# Allegro board MB1045.brd (continued)
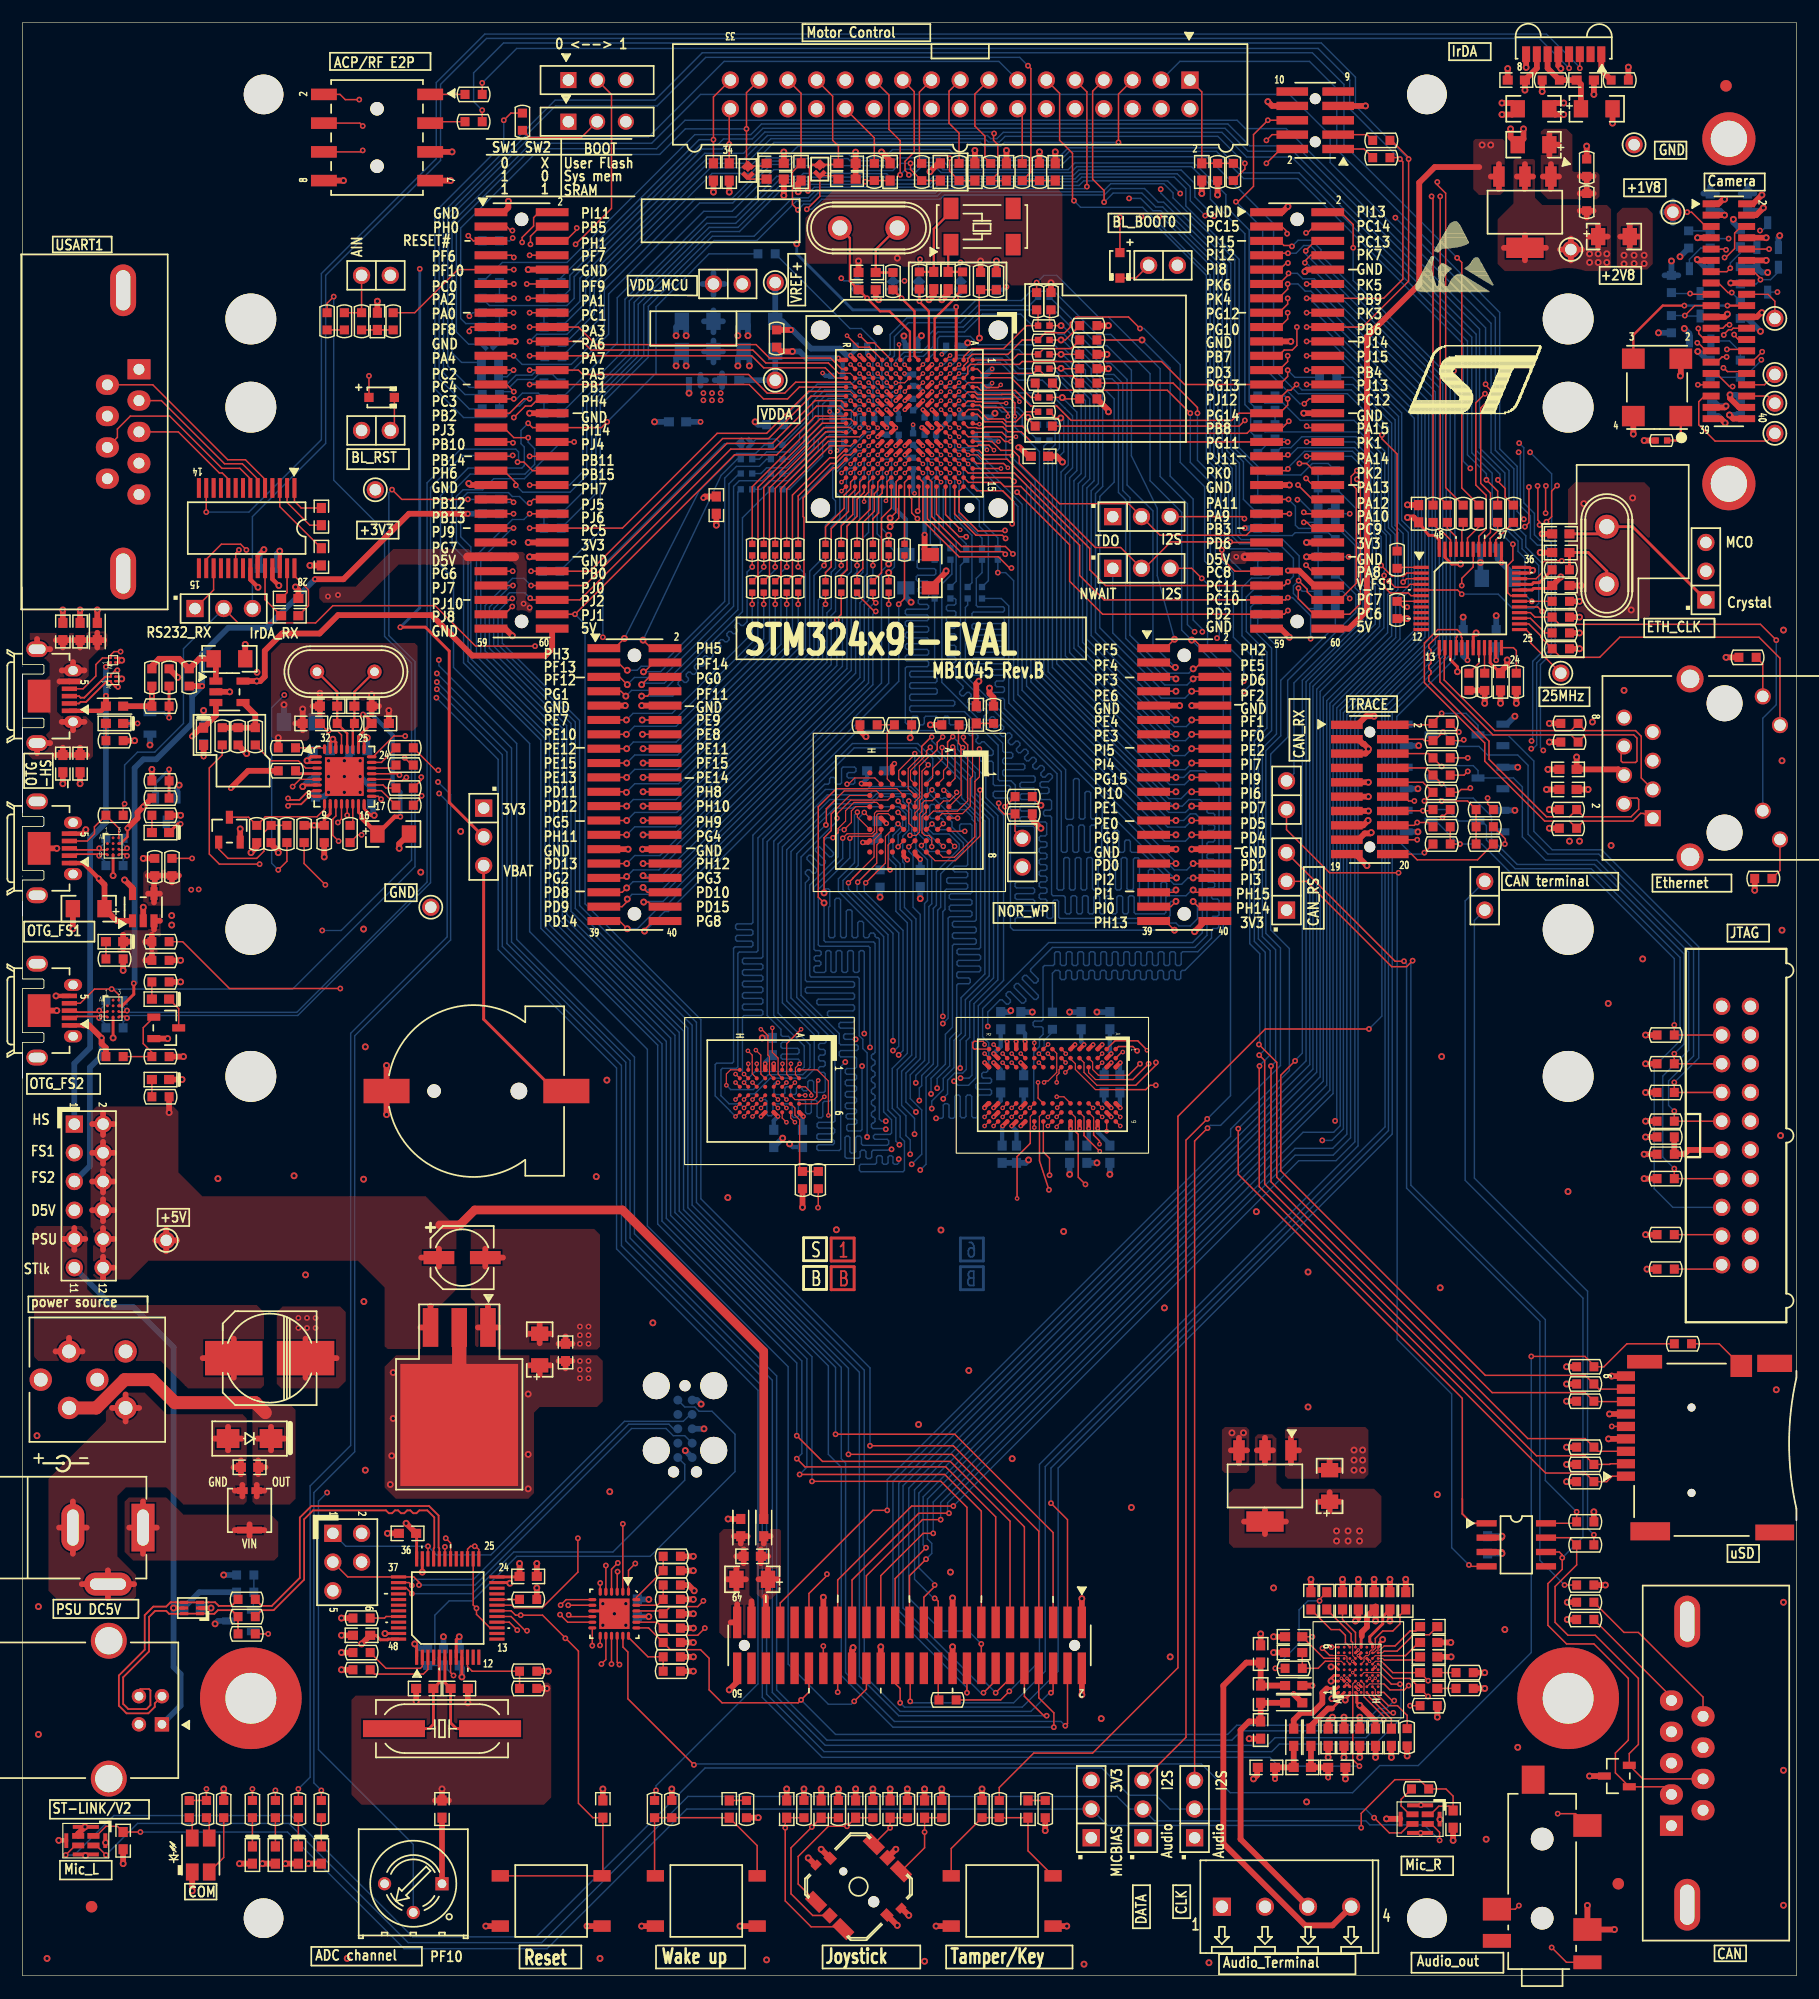
[diagram p0: board, top side]
## Footprints (pads in the part's own frame, mm; a bottom-side part is the same pattern mirrored in y, then rotated) (continued)
FTSH-110-01-L-DV
  round 0.965 hole 0.965 unplated: (-5.08,0) (5.08,0)
  rect 0.737x2.794 smd: 1(-5.715,-2.03) 2(-5.715,2.03) 3(-4.445,-2.03) 4(-4.445,2.03) 5(-3.175,-2.03) 6(-3.175,2.03) 7(-1.905,-2.03) 8(-1.905,2.03) 9(-0.635,-2.03) 10(-0.635,2.03) 11(0.635,-2.03) 12(0.635,2.03) 13(1.905,-2.03) 14(1.905,2.03) 15(3.175,-2.03) 16(3.175,2.03) 17(4.445,-2.03) 18(4.445,2.03) 19(5.715,-2.03) 20(5.715,2.03)
FTSH-125-01-F-DV
  round 0.965 hole 0.965 unplated: (-14.605,0) (14.605,0)
  rect 0.737x2.794 smd: 1(-15.24,-2.03) 2(-15.24,2.03) 3(-13.97,-2.03) 4(-13.97,2.03) 5(-12.7,-2.03) 6(-12.7,2.03) 7(-11.43,-2.03) 8(-11.43,2.03) 9(-10.16,-2.03) 10(-10.16,2.03) 11(-8.89,-2.03) 12(-8.89,2.03) 13(-7.62,-2.03) 14(-7.62,2.03) 15(-6.35,-2.03) 16(-6.35,2.03) 17(-5.08,-2.03) 18(-5.08,2.03) 19(-3.81,-2.03) 20(-3.81,2.03) 21(-2.54,-2.03) 22(-2.54,2.03) 23(-1.27,-2.03) 24(-1.27,2.03) 25(0,-2.03) 26(0,2.03) 27(1.27,-2.03) 28(1.27,2.03) 29(2.54,-2.03) 30(2.54,2.03) 31(3.81,-2.03) 32(3.81,2.03) 33(5.08,-2.03) 34(5.08,2.03) 35(6.35,-2.03) 36(6.35,2.03) 37(7.62,-2.03) 38(7.62,2.03) 39(8.89,-2.03) 40(8.89,2.03) 41(10.16,-2.03) 42(10.16,2.03) 43(11.43,-2.03) 44(11.43,2.03) 45(12.7,-2.03) 46(12.7,2.03) 47(13.97,-2.03) 48(13.97,2.03) 49(15.24,-2.03) 50(15.24,2.03)
HDR_2X3-1_2R54-6
  rect 1.524x1.524 hole 1.016: 1(0,0)
  round 1.524 hole 1.016: 2(0,2.54) 3(2.54,0) 4(2.54,2.54) 5(5.08,0)
HDR_2X6_2R54
  rect 1.524x1.524 hole 1.016: 1(0,0)
  round 1.524 hole 1.016: 2(0,2.54) 3(2.54,0) 4(2.54,2.54) 5(5.08,0) 6(5.08,2.54) 7(7.62,0) 8(7.62,2.54) 9(10.16,0) 10(10.16,2.54) 11(12.7,0) 12(12.7,2.54)
HOLE_C9D4R5
  round 8.992 hole 4.496: 1(0,0)
IDC20S
  round 1.524 hole 1.016: 1(0,0) 2(2.54,0) 3(0,-2.54) 4(2.54,-2.54) 5(0,-5.08) 6(2.54,-5.08) 7(0,-7.62) 8(2.54,-7.62) 9(0,-10.16) 10(2.54,-10.16) 11(0,-12.7) 12(2.54,-12.7) 13(0,-15.24) 14(2.54,-15.24) 15(0,-17.78) 16(2.54,-17.78) 17(0,-20.32) 18(2.54,-20.32) 19(0,-22.86) 20(2.54,-22.86)
IDC34S
  rect 1.524x1.524 hole 1.016: 1(0,0)
  round 1.524 hole 1.016: 2(2.54,0) 3(0,-2.54) 4(2.54,-2.54) 5(0,-5.08) 6(2.54,-5.08) 7(0,-7.62) 8(2.54,-7.62) 9(0,-10.16) 10(2.54,-10.16) 11(0,-12.7) 12(2.54,-12.7) 13(0,-15.24) 14(2.54,-15.24) 15(0,-17.78) 16(2.54,-17.78) 17(0,-20.32) 18(2.54,-20.32) 19(0,-22.86) 20(2.54,-22.86) 21(0,-25.4) 22(2.54,-25.4) 23(0,-27.94) 24(2.54,-27.94) 25(0,-30.48) 26(2.54,-30.48) 27(0,-33.02) 28(2.54,-33.02) 29(0,-35.56) 30(2.54,-35.56) 31(0,-38.1) 32(2.54,-38.1) 33(0,-40.64) 34(2.54,-40.64)
IR_VISHAY3
  rect 0.711x1.397 smd: 1(3.325,0) 2(2.375,0) 3(1.425,0) 4(0.475,0) 5(-0.475,0) 6(-1.425,0) 7(-2.375,0) 8(-3.325,0)
JP2_SMD
  round 0.152 smd: 1(-0.584,-0.008) 2(0.402,-0.03)
LED2_3528
  rect 1.118x1.499 smd: 1(-0.75,-1.5) 2(-0.75,1.5) 3(0.75,1.5) 4(0.75,-1.5)
LQFP48_0R5_9X9
  rect 1.346x0.279 smd: 1(-4.35,2.75) 2(-4.35,2.25) 3(-4.35,1.75) 4(-4.35,1.25) 5(-4.35,0.75) 6(-4.35,0.25) 7(-4.35,-0.25) 8(-4.35,-0.75) 9(-4.35,-1.25) 10(-4.35,-1.75) 11(-4.35,-2.25) 12(-4.35,-2.75) 25(4.35,-2.75) 26(4.35,-2.25) 27(4.35,-1.75) 28(4.35,-1.25) 29(4.35,-0.75) 30(4.35,-0.25) 31(4.35,0.25) 32(4.35,0.75) 33(4.35,1.25) 34(4.35,1.75) 35(4.35,2.25) 36(4.35,2.75)
  rect 0.279x1.346 smd: 13(-2.75,-4.35) 14(-2.25,-4.35) 15(-1.75,-4.35) 16(-1.25,-4.35) 17(-0.75,-4.35) 18(-0.25,-4.35) 19(0.25,-4.35) 20(0.75,-4.35) 21(1.25,-4.35) 22(1.75,-4.35) 23(2.25,-4.35) 24(2.75,-4.35) 37(2.75,4.35) 38(2.25,4.35) 39(1.75,4.35) 40(1.25,4.35) 41(0.75,4.35) 42(0.25,4.35) 43(-0.25,4.35) 44(-0.75,4.35) 45(-1.25,4.35) 46(-1.75,4.35) 47(-2.25,4.35) 48(-2.75,4.35)
MOLEX_47590001
  rect 0.406x1.346 smd: 1(1.3,0) 2(0.65,0) 3(0,0) 4(-0.65,0) 5(-1.3,0)
  oval 1.067x1.6 hole 0.762x0.838: 6(2.275,0.325) 7(-2.275,0.325)
  oval 1.397x1.905 hole 0.838x1.499: 8(-4.15,-2.855) 9(4.15,-2.855)
  rect 2.896x2.007 smd: 10(0,-2.675)
MP34DT01TR
  rect 0.508x1.067 smd: 1(-0.425,0.675) 2(-0.425,-0.675) 3(0.425,-0.675) 4(0.425,0.675)
  round 0.152 smd: 5(-0.025,-1.753)
MSD_PJS008_
  round 0.711 hole 0.711 unplated: (0,0) (7.55,0)
  rect 0.813x1.6 smd: 1(1.475,5.8) 2(2.575,5.8) 3(3.675,5.8) 4(4.775,5.8) 5(5.875,5.8) 6(6.975,5.8) 7(8.075,5.8) 8(9.175,5.8)
  rect 0.838x1.6 smd: 9(10.325,5.8)
  rect 1.956x1.905 smd: 10(11.225,-4.4)
  rect 1.524x3.073 smd: 11(11.45,-7.35)
  rect 1.397x3.429 smd: 12(-3.503,-7.357)
  rect 1.6x3.505 smd: 13(-3.4,3.65)
  rect 1.194x3.099 smd: 14(11.6,4.15)
OSC_4SM_7X5
  rect 1.803x2.007 smd: 1(-2.54,-2.1) 2(2.54,-2.1) 3(2.54,2.1) 4(-2.54,2.1)
PB10
  rect 1.524x1.016 smd: 1(-4.5,-2.223) 2(-4.5,2.223) 3(4.5,2.223) 4(4.5,-2.223)
PJ3028B
  round 2.007 hole 2.007 unplated: (0,0) (7,0)
  rect 1.219x2.489 smd: 2(-3.9,-4) 7(-2,4)
  rect 2.007x2.489 smd: 3(-1,-4) 4(0.8,4) 6(8.2,-4)
  rect 2.489x2.007 smd: 5(12.25,0.8)
PWR_JACK_DC10
  rect 2.032x4.216 hole 1.016x3.2: 1(0,0)
  oval 4.216x2.032 hole 3.2x1.016: 2(-3.1,-5)
  oval 2.032x4.216 hole 1.016x3.2: 3(-6.2,0)
QFN24_0R5_4X4
  oval 0.711x0.279 smd: 1(-1.95,1.25) 2(-1.95,0.75) 3(-1.95,0.25) 4(-1.95,-0.25) 5(-1.95,-0.75) 6(-1.95,-1.25) 13(1.95,-1.25) 14(1.95,-0.75) 15(1.95,-0.25) 16(1.95,0.25) 17(1.95,0.75) 18(1.95,1.25)
  oval 0.279x0.711 smd: 7(-1.25,-1.95) 8(-0.75,-1.95) 9(-0.25,-1.95) 10(0.25,-1.95) 11(0.75,-1.95) 12(1.25,-1.95) 19(1.25,1.95) 20(0.75,1.95) 21(0.25,1.95) 22(-0.25,1.95) 23(-0.75,1.95) 24(-1.25,1.95)
  rect 2.692x2.692 smd: 25(0,0)
QFN32_0R5_5X5
  oval 0.864x0.279 smd: 1(-2.42,1.75) 2(-2.42,1.25) 3(-2.42,0.75) 4(-2.42,0.25) 5(-2.42,-0.25) 6(-2.42,-0.75) 7(-2.42,-1.25) 8(-2.42,-1.75) 17(2.42,-1.75) 18(2.42,-1.25) 19(2.42,-0.75) 20(2.42,-0.25) 21(2.42,0.25) 22(2.42,0.75) 23(2.42,1.25) 24(2.42,1.75)
  oval 0.279x0.864 smd: 9(-1.75,-2.42) 10(-1.25,-2.42) 11(-0.75,-2.42) 12(-0.25,-2.42) 13(0.25,-2.42) 14(0.75,-2.42) 15(1.25,-2.42) 16(1.75,-2.42) 25(1.75,2.42) 26(1.25,2.42) 27(0.75,2.42) 28(0.25,2.42) 29(-0.25,2.42) 30(-0.75,2.42) 31(-1.25,2.42) 32(-1.75,2.42)
  rect 3.429x3.429 smd: 33(0,0)
RJ45_J0011D01BNL
  round 3.175 hole 3.175 unplated: (-10.16,6.35) (1.27,6.35)
  rect 1.422x1.422 hole 1.016: 1(0,0)
  round 1.422 hole 1.016: 2(-1.27,-2.54) 3(-2.54,0) 4(-3.81,-2.54) 5(-5.08,0) 6(-6.35,-2.54) 7(-7.62,0) 8(-8.89,-2.54) 9(1.88,11.25) 10(-0.66,9.73) 11(-8.23,11.25) 12(-10.77,9.73)
  round 2.388 hole 1.626: 13(-12.32,3.3) 14(3.43,3.3)
SIP2
  round 1.524 hole 1.016: 1(0,0) 2(2.54,0)
SIP3
  rect 1.524x1.524 hole 1.016: 1(0,0)
  round 1.524 hole 1.016: 2(2.54,0) 3(5.08,0)
SMA
  rect 2.007x1.676 smd: 1(-1.9,0) 2(1.9,0)
SOD-323
  rect 0.813x0.813 smd: 1(-1.125,0) 2(1.125,0)
SOIC8_1R27_4R9X6
  rect 0.559x1.778 smd: 1(-1.905,-2.624) 2(-0.635,-2.624) 3(0.635,-2.624) 4(1.905,-2.624) 5(1.905,2.624) 6(0.635,2.624) 7(-0.635,2.624) 8(-1.905,2.624)
SOT23-5
  rect 0.635x1.143 smd: 1(-0.95,-1.2) 2(0,-1.2) 3(0.95,-1.2) 4(0.95,1.2) 5(-0.95,1.2)
SOT23-213
  rect 0.635x1.143 smd: 1(0.95,-1.1) 2(-0.95,-1.1) 3(0,1.1)
SOT-223
  rect 1.016x1.803 smd: 1(-2.3,-3.15) 2(0,-3.15) 3(2.3,-3.15)
  rect 3.302x1.803 smd: 4(0,3.15)
SOT-563
  rect 0.279x0.711 smd: 1(-0.5,-0.7) 2(0,-0.7) 3(0.5,-0.7) 4(0.5,0.703) 5(0,0.703) 6(-0.5,0.703)
SSM-104-L-DH
  round 1.194 hole 1.194 unplated: (-2.54,0) (2.54,0)
  rect 1.016x2.286 smd: 1(3.81,-4.698) 2(3.81,4.698) 3(1.27,-4.698) 4(1.27,4.698) 5(-1.27,-4.698) 6(-1.27,4.698) 7(-3.81,-4.698) 8(-3.81,4.698)
SSOP28_0R65_10R2X7R8
  rect 0.356x1.753 smd: 1(-4.225,-3.55) 2(-3.575,-3.55) 3(-2.925,-3.55) 4(-2.275,-3.55) 5(-1.625,-3.55) 6(-0.975,-3.55) 7(-0.325,-3.55) 8(0.325,-3.55) 9(0.975,-3.55) 10(1.625,-3.55) 11(2.275,-3.55) 12(2.925,-3.55) 13(3.575,-3.55) 14(4.225,-3.55) 15(4.225,3.55) 16(3.575,3.55) 17(2.925,3.55) 18(2.275,3.55) 19(1.625,3.55) 20(0.975,3.55) 21(0.325,3.55) 22(-0.325,3.55) 23(-0.975,3.55) 24(-1.625,3.55) 25(-2.275,3.55) 26(-2.925,3.55) 27(-3.575,3.55) 28(-4.225,3.55)
SW1_3TH_2R54_10X2R5
  rect 1.422x1.422 hole 1.016: 1(0,0)
  round 1.422 hole 1.016: 2(2.54,0) 3(5.08,0)
SW-JOY
  round 0.711 hole 0.711 unplated: (0,1.9)
  round 0.991 hole 0.991 unplated: (0,-1.9)
  rect 1.016x1.778 smd: 1(-3.608,1.7) 3(-3.608,-1.7) 4(3.608,-1.7) 6(3.608,1.7)
  rect 1.016x1.016 smd: 2(-3.608,0) 5(3.608,0)
  rect 0.813x0.914 smd: 7(0,3.55) 8(0,-3.55)
  rect 0.813x0.61 smd: 9(-1.3,4) 10(1.3,-4)
TAN-A
  rect 1.27x1.524 smd: 1(1.397,0) 2(-1.397,0)
TC2050-IDC-FP
  round 2.388 hole 2.388 unplated: (-3.81,-2.54) (-3.81,2.54) (1.905,-2.54) (1.905,2.54)
  round 0.991 hole 0.991 unplated: (-3.81,0) (3.81,-1.015) (3.81,1.015)
  round 0.787 smd: 1(-2.54,-0.635) 2(-1.27,-0.635) 3(0,-0.635) 4(1.27,-0.635) 5(2.54,-0.635) 6(2.54,0.635) 7(1.27,0.635) 8(0,0.635) 9(-1.27,0.635) 10(-2.54,0.635)
TO263-3
  rect 1.372x3.429 smd: 1(-2.54,-5) 2(0,-5) 3(2.54,-5)
  rect 10.414x10.795 smd: 4(0,3.625)
TP
  round 1.524 hole 1.016: 1(0,0)
TYCO_ZEN056V130A24LS
  rect 0.61x2.21 smd: 1(-1.745,0)
  rect 0.61x0.94 smd: 2(1.745,0.635) 3(1.745,-0.635)
unnamed
  round 4.496 hole 4.496 unplated: (0,0)
unnamed#2
  round 3.505 hole 3.505 unplated: (0,0)
unnamed#3
  round 1.016 smd: (0,0)
USB-B
  rect 1.27x1.27 hole 0.762: 1(0,0)
  round 1.27 hole 0.762: 2(-2.489,0) 3(-2.489,-2.032) 4(0,-2.032)
  round 3.175 hole 2.413: 5(-7.391,-4.699) 6(4.801,-4.699)
XTAL1
  round 1.27 hole 0.762: 1(0,0) 2(-5.08,0)
XTAL_2SM_12R7X4R7
  rect 5.486x1.499 smd: 1(-4.25,0) 2(4.25,0)
XTAL_4SM_8X3R8
  rect 1.321x1.905 smd: 1(-2.75,-1.6) 2(2.75,-1.6) 3(2.75,1.6) 4(-2.75,1.6)
XTAL_SOCKET
  round 2.108 hole 1.346: 1(0,0) 2(-5.08,0)

## Nets
+1V8: C56.1 C64.1 C66.1 C84.1 C100.1 C101.2 CN5.1 CN5.2 R44.2 R212.2 R220.2 TP12.1 U13.2 U13.4 U17.D1 U17.D8 U17.G9 X3.4
+2V8: C19.1 C116.1 C117.1 CN5.39 CN5.40 R17.1 R205.2 R209.2 TP1.1 TR1.2 TR2.2 U2.2 U2.4
+3V3: B2.1 B2.4 C1.1 C3.1 C25.1 C26.1 C27.1 C33.2 C39.2 C47.2 C48.2 C52.1 C53.1 C57.2 C59.1 C65.1 C69.2 C81.1 C82.1 C83.1 C90.1 C102.1 C124.1 C132.1 C138.1 C139.1 C140.1 C141.1 C142.1 C143.1 C144.1 C145.1 C146.1 C147.1 C148.1 C149.1 C150.1 C151.1 C152.1 C153.1 C154.1 C155.1 C156.1 C157.1 C158.1 C159.1 C160.1 C161.1 C162.1 C164.2 CN1.28 CN3.5 CN6.48 CN7.48 CN10.4 CN10.5 CN12.40 CN13.1 CN16.1 CN16.2 CN17.4 CN19.4 CN20.50 CN25.1 JP2.1 JP8.1 JP13.3 LD1.1 LD2.1 LD3.1 LD4.1 R1.1 R2.1 R15.2 R22.2 R75.2 R76.1 R77.2 R78.2 R79.2 R80.2 R84.2 R85.2 R88.1 R91.1 R92.2 R94.2 R98.2 R100.1 R115.1 R116.2 R118.2 R121.1 R122.1 R125.1 R131.2 R133.2 R134.1 R135.2 R136.2 R139.2 R140.2 R144.2 R145.2 R146.2 R151.2 R152.1 R153.1 R154.1 R155.1 R156.1 R160.1 R162.2 R165.1 R166.1 R167.1 R171.1 R173.1 R178.1 R179.1 R184.2 R185.1 R188.2 R195.1 R196.1 R197.1 R198.1 R199.1 R200.1 R201.2 R216.1 R296.2 R299.2 R305.2 RV1.1 SW1.1 SW2.1 T6.3 T7.1 TP11.1 U1.7 U4.22 U4.26 U5.22 U5.32 U5.48 U7.6 U7.16 U7.25 U7.30 U7.31 U8.D8 U8.F1 U8.G5 U10.A7 U10.B2 U10.B7 U10.C9 U10.D9 U10.E1 U10.F9 U10.L1 U10.L7 U10.M9 U10.N9 U10.P2 U10.P7 U10.R7 U11.A6 U11.D6 U11.E1 U12.2 U12.4 U13.3 U14.3 U15.1 U15.9 U15.24 U15.36 U15.48 U16.21 U17.B2 U17.C2 U17.D2 U17.E9
+5V: C51.1 CN1.25 CN2.8 CN3.8 CN6.60 CN7.60 JP12.2 JP12.4 JP12.6 JP12.8 JP12.10 JP12.12 L5.1 R141.2 TP9.1 U2.3 U6.5 U9.5 U12.3
D5V: CN6.49 CN7.49 JP12.7
GND: B1.1 B1.4 B3.1 B3.4 B4.5 B4.7 B4.8 B4.9 B4.10 BT1.2 C1.2 C2.2 C3.2 C4.2 C5.2 C6.1 C7.1 C8.1 C9.1 C10.1 C11.2 C12.1 C13.1 C14.1 C15.2 C16.1 C17.2 C18.1 C19.2 C20.2 C21.2 C22.2 C23.2 C24.1 C27.2 C29.2 C30.1 C31.1 C32.2 C33.1 C34.1 C36.2 C37.2 C38.2 C39.1 C40.2 C41.2 C42.2 C43.2 C44.2 C45.2 C46.2 C47.1 C48.1 C49.2 C50.2 C51.2 C52.2 C53.2 C54.2 C56.2 C57.1 C59.2 C61.1 C63.2 C64.2 C65.2 C66.2 C67.2 C69.1 C70.1 C71.2 C72.1 C73.2 C74.2 C76.1 C77.1 C80.2 C81.2 C82.2 C83.2 C84.2 C85.2 C86.1 C88.1 C89.2 C90.2 C91.1 C93.1 C94.1 C95.1 C96.1 C97.1 C99.2 C100.2 C101.1 C103.2 C104.2 C105.2 C106.2 C107.1 C108.2 C109.2 C110.1 C111.2 C112.2 C113.2 C114.2 C115.2 C116.2 C117.2 C118.2 C119.2 C120.2 C121.2 C122.2 C123.2 C125.2 C126.2 C127.2 C128.2 C129.2 C130.2 C131.1 C132.2 C133.2 C134.2 C135.2 C136.1 C137.2 C138.2 C139.2 C140.2 C141.2 C142.2 C143.2 C144.2 C145.2 C146.2 C147.2 C148.2 C149.2 C150.2 C151.2 C152.2 C153.2 C154.2 C155.2 C156.2 C157.2 C158.2 C159.2 C160.2 C161.2 C162.2 C163.2 C164.1 C165.1 CN1.2 CN1.4 CN1.6 CN1.8 CN1.10 CN1.12 CN1.16 CN1.18 CN1.20 CN1.22 CN1.24 CN1.30 CN1.32 CN2.7 CN3.7 CN4.2 CN5.3 CN5.4 CN5.7 CN5.8 CN5.11 CN5.12 CN5.16 CN5.21 CN5.22 CN5.37 CN5.38 CN5.41 CN5.42 CN6.1 CN6.10 CN6.19 CN6.30 CN6.39 CN6.50 CN6.59 CN7.1 CN7.10 CN7.19 CN7.30 CN7.39 CN7.50 CN7.59 CN8.5 CN8.10 CN8.11 CN10.8 CN10.13 CN10.14 CN11.9 CN11.10 CN11.29 CN11.30 CN12.9 CN12.10 CN12.29 CN12.30 CN13.3 CN13.5 CN13.9 CN13.11 CN13.13 CN13.15 CN13.17 CN13.19 CN14.5 CN14.6 CN14.7 CN14.8 CN14.9 CN14.10 CN15.5 CN15.6 CN15.7 CN15.8 CN15.9 CN15.10 CN16.4 CN16.6 CN16.8 CN16.10 CN16.12 CN16.14 CN16.16 CN16.18 CN16.20 CN17.6 CN17.9 CN19.2 CN20.1 CN20.2 CN20.19 CN20.20 CN20.30 CN20.34 CN20.37 CN21.4 CN21.5 CN21.6 CN22.3 CN22.6 CN22.10 CN22.11 CN23.3 CN25.3 CN25.5 D3.B1 D3.B2 D4.B1 D4.B2 D5.D2 D6.D2 D8.2 D9.2 D10.2 D11.2 D12.2 D13.2 D14.2 D15.3 H1.1 H2.1 JP9.1 JP10.1 L1.1 L3.4 L3.5 L3.6 L4.1 LD10.2 LD11.1 R8.2 R14.2 R21.2 R24.1 R30.1 R35.1 R37.1 R41.1 R82.1 R86.1 R96.1 R101.1 R107.1 R129.1 R138.1 R142.1 R143.1 R148.1 R149.1 R157.2 R159.1 R161.1 R164.2 R169.1 R170.1 R174.1 R175.1 R177.1 R180.2 R181.2 R182.2 R194.2 R203.1 R207.2 R230.2 R245.1 R259.1 R303.2 RV1.3 SW1.3 SW2.3 T1.1 T2.1 T3.1 T4.1 T5.1 TP10.1 TP13.1 U1.5 U1.8 U3.F2 U3.F6 U3.F7 U3.F8 U3.F9 U3.F10 U3.G6 U3.G10 U3.H6 U3.H10 U3.J6 U3.J10 U3.K6 U3.K7 U3.K8 U3.K9 U3.K10 U3.L6 U3.M1 U3.N1 U4.23 U4.25 U5.15 U5.19 U5.35 U5.36 U5.47 U6.2 U7.1 U7.2 U7.33 U8.E8 U8.H2 U8.H7 U9.2 U10.A3 U10.B3 U10.B8 U10.C1 U10.D1 U10.E9 U10.F1 U10.L3 U10.L9 U10.M1 U10.N1 U10.P3 U10.P8 U10.R3 U11.D1 U11.E6 U12.1 U13.1 U14.2 U15.8 U15.23 U15.35 U15.47 U16.9 U16.25 U17.A1 U17.A3 U17.A4 U17.A5 U17.C1 U17.D6 U17.E2 U17.E7 U17.E8 U17.F7 U17.G5 U17.H9 U18.5 U19.2 U19.5 X3.2
VBUS_FS1: C50.1 CN7.54 CN14.1 D5.B3 JP12.3 R111.1 R266.2 U9.1
VBUS_FS2: CN15.1 D6.B3 JP12.5 R83.1 R137.1 R264.1
VBUS_HS: CN9.1 D3.A1 JP12.1 L2.2
VDD_MCU: C25.2 C26.2 C102.2 C104.1 C105.1 C106.1 C109.1 C111.1 C112.1 C113.1 C114.1 C115.1 C118.1 C119.1 C120.1 C121.1 C122.1 C123.1 C124.2 C125.1 C126.1 C127.1 C128.1 C129.1 C130.1 JP2.2 L10.1 U3.E7 U3.E8 U3.E9 U3.E10 U3.F4 U3.F5 U3.F11 U3.G5 U3.G11 U3.H5 U3.H11 U3.J5 U3.J11 U3.K5 U3.K11 U3.L7 U3.L8 U3.L9 U3.L10
VDDA: C108.1 C110.2 L10.2 R31.1 TP5.1 U3.R1
A0: CN12.14 R231.2 U8.E2 U10.G8 U11.A3
A1: CN12.12 R226.2 U8.D2 U10.G9 U11.A4
A2: CN12.8 R224.2 U8.C2 U10.F7 U11.A5
A3: CN12.5 R221.2 U8.A2 U10.F3 U11.B3
A4: CN12.3 R217.2 U8.B2 U10.G1 U11.B4
A5: CN12.1 R213.2 U8.D3 U10.G2 U11.C3
A6: CN11.5 R253.2 U8.C3 U10.G3 U11.C4
A7: CN11.3 R250.2 U8.A3 U10.H1 U11.D4
A8: CN11.4 R254.2 U8.B6 U10.H2 U11.H2
A9: CN11.18 R273.2 U8.A6 U10.J3 U11.H3
A10: CN11.6 R258.2 U8.C6 U10.G7 U11.H4
A11: CN11.7 R257.2 U8.D6 U10.H9 U11.H5
A12: CN11.33 R285.2 U8.B7 U11.G3
A13: CN11.34 R269.2 U8.A7 U11.G4
A14: CN11.28 R286.2 U8.C7 U10.J7 U11.F3
A15: CN11.25 R271.2 U8.D7 U10.H8 U11.F4
A16: CN11.21 R272.1 U8.E7 U11.E4
A17: CN11.23 R287.2 U8.B3 U11.D3
A18: CN11.31 R270.2 U8.C4 U11.H1
A19: CN12.13 R36.2 R37.2 U8.D5 U11.G2
A20: CN12.11 R34.2 R35.2 U8.D4 U11.H6
A21: CN12.4 R24.2 R29.2 U8.C5
A22: CN12.7 R30.2 R32.2 U8.B8
A23: CN12.16 R40.2 R41.2 U8.C8
AIN_1: R178.2 R181.1 U15.10
BOOT0: JP1.2 SW1.2 U3.E6
CAMERA_CLK: CN5.20 X3.3
D0: CN11.39 R74.2 U8.E3 U10.R8 U11.B6
D1: CN11.38 R61.2 U8.H3 U10.N7 U11.C5
D2: CN12.31 R274.2 U8.E4 U10.R9 U11.C6
D3: CN12.32 R288.2 U8.H4 U10.N8 U11.D5
D4: CN11.11 R65.2 U8.H5 U10.P9 U11.E5
D5: CN11.14 R54.2 U8.E5 U10.M8 U11.F5
D6: CN11.12 R53.2 U8.H6 U10.M7 U11.F6
D7: CN11.13 R66.2 U8.E6 U10.L8 U11.G6
D8: CN11.16 R55.2 U8.F3 U10.L2 U11.B1
D9: CN11.15 R67.2 U8.G3 U10.M3 U11.C1
D10: CN11.19 R69.2 U8.F4 U10.M2 U11.C2
D11: CN11.20 R56.2 U8.G4 U10.P1 U11.D2
D12: CN11.17 R68.2 U8.F5 U10.N2 U11.E2
D13: CN11.35 R60.2 U8.G6 U10.R1 U11.F2
D14: CN11.37 R72.2 U8.F6 U10.N3 U11.F1
D15: CN11.36 R73.2 U8.G7 U10.R2 U11.G1
D16: CN11.22 R57.1 U10.E8
D17: CN11.26 R58.1 U10.D7
D18: CN11.24 R70.1 U10.D8
D19: CN11.27 R71.1 U10.B9
D20: CN11.32 R59.1 U10.C8
D21: CN12.39 R278.1 U10.A9
D22: CN12.38 R291.1 U10.C7
D23: CN12.36 R290.1 U10.A8
D24: CN12.37 R277.1 U10.A2
D25: CN12.35 R276.1 U10.C3
D26: CN12.33 R275.1 U10.A1
D27: CN12.34 R289.1 U10.C2
D28: CN12.22 R247.1 U10.B1
D29: CN12.18 R237.1 U10.D2
D30: CN12.20 R241.1 U10.D3
D31: CN12.21 R244.1 U10.E2
E5V: C54.1 JP12.9 L3.3
I2C1_SCL_C: CN5.13 R205.1 TR1.1
I2C1_SDA_C: CN5.14 R209.1 TR2.1
LCD_B0: CN7.27 CN20.21 U3.B10
LCD_B1: CN7.26 CN20.23 U3.B9
LCD_B2: CN7.20 CN20.25 U3.C9
LCD_B3: CN7.22 CN20.27 U3.D10
LCD_B4: CN7.16 CN20.29 U3.D8
LCD_B5: CN7.13 CN20.31 U3.D7
LCD_B6: CN7.12 CN20.33 U3.C6
LCD_B7: CN7.11 CN20.35 U3.C5
LCD_G0: CN6.53 CN20.4 U3.J12
LCD_G1: CN6.57 CN20.6 U3.H12
LCD_G2: CN6.45 CN20.8 U3.J13
LCD_G3: CN6.55 CN20.10 U3.H13
LCD_G4: CN7.35 CN20.12 U3.G12
LCD_G5: CN7.37 CN20.14 U3.G13
LCD_G6: CN7.34 CN20.16 U3.F12
LCD_G7: CN7.38 CN20.18 U3.F13
LCD_R0: CN7.5 CN20.3 U3.G4
LCD_R1: CN6.54 CN20.5 U3.R6
LCD_R2: CN6.58 CN20.7 U3.R7
LCD_R3: CN6.56 CN20.9 U3.P7
LCD_R4: CN6.31 CN20.11 U3.N8
LCD_R5: CN6.34 CN20.13 U3.M9
LCD_R6: CN6.42 CN20.15 U3.M14
LCD_R7: CN6.44 CN20.17 U3.K12
LED_STLINK: R186.1 R187.1 U15.30
MCO: U15.29
NETB2_2: B2.2 B2.3 C92.2 R193.1 R194.1
NETB3_2: B3.2 B3.3 C98.2 R201.1 R202.1
NETB4_1: B4.1 C95.2 R198.2 U16.14
NETB4_2: B4.2 C94.2 R197.2 U16.16
NETB4_3: B4.3 C93.2 R196.2 U16.15
NETB4_4: B4.4 C97.2 R200.2 U16.13
NETB4_6: B4.6 C96.2 R199.2 U16.12
NETBT1_1: BT1.1 JP8.3
NETC2_1: C2.1 C4.1 R1.2 U1.6
NETC5_1: C5.1 R8.1 R17.2 U2.1
NETC6_2: C6.2 CN1.31 R223.2 SB2.2
NETC7_2: C7.2 CN1.27 R252.2 SB1.2
NETC8_2: C8.2 CN1.33 R210.2
NETC9_2: C9.2 CN1.34 R215.2
NETC10_2: C10.2 CN1.29 R255.2
NETC11_1: C11.1 R9.2 R263.1
NETC12_2: C12.2 R10.1 R242.1
NETC13_2: C13.2 R11.1 R232.1
NETC14_2: C14.2 R12.1 R218.1
NETC15_1: C15.1 R13.2 R14.1 R235.1
NETC16_2: C16.2 CN1.1 R15.1 R16.1
NETC17_1: C17.1 SB2.1
NETC18_2: C18.2 R268.2 SB1.1
NETC20_1: C20.1 R20.2 X2.2
NETC21_1: C21.1 R18.1 X1.4
NETC22_1: C22.1 R19.1 X1.1
NETC24_2: C24.2 R27.1 R28.1
NETC28_1: C28.1 U4.1
NETC28_2: C28.2 U4.2
NETC29_1: C29.1 JP6.1 X4.1
NETC30_2: C30.2 R64.2 X4.2
NETC31_2: C31.2 U4.3
NETC32_1: C32.1 U3.E11
NETC34_2: C34.2 U4.27
NETC35_1: C35.1 U4.24
NETC35_2: C35.2 U4.28
NETC36_1: C36.1 C37.1 C45.1 C46.1 CN9.5 CN9.6 CN9.7 CN9.8 CN9.9 CN9.10 L1.2
NETC38_1: C38.1 R81.1 R83.2 U6.1
NETC40_1: C40.1 R89.2 U7.28 X5.1
NETC41_1: C41.1 R89.1 U7.27 X5.2
NETC42_1: C42.1 R88.2 U8.B5
NETC43_1: C43.1 C137.1 U7.29
NETC44_1: C44.1 C49.1 U7.15 U7.26
NETC55_1: C55.1 D7.3 L3.1 Z1.2
NETC55_2: C55.2 CN18.2 CN18.3 D7.2 L3.2 Z1.1
NETC58_1: C58.1 C60.1 CN20.45 L5.2
NETC58_2: C58.2 C60.2 CN20.47 CN20.49 L4.2
NETC61_2: C61.2 U17.C9
NETC62_1: C62.1 U17.D7
NETC62_2: C62.2 CN23.2 R176.1
NETC63_1: C63.1 U17.D9
NETC67_1: C67.1 U17.E6
NETC68_1: C68.1 U17.H8
NETC68_2: C68.2 U17.G8
NETC70_2: C70.2 JP13.1 U17.A7
NETC71_1: C71.1 U17.G7
NETC72_2: C72.2 R176.2 U17.B6
NETC73_1: C73.1 C79.2 CN24.4 L6.2
NETC74_1: C74.1 U17.H7
NETC75_1: C75.1 CN23.4 U17.G6
NETC75_2: C75.2 R180.1
NETC78_1: C78.1 CN23.6 U17.H6
NETC78_2: C78.2 R182.1
NETC79_1: C79.1 C80.1 CN24.3 L7.2
NETC85_1: C85.1 U17.F1
NETC86_2: C86.2 C87.1 CN24.2 L8.2
NETC87_2: C87.2 C88.2 CN24.1 L9.2
NETC89_1: C89.1 C99.1 JP13.2 R204.2 U18.1 U19.1
NETC92_1: C92.1 R195.2
NETC98_1: C98.1 R203.2
NETC131_2: C131.2 C134.1 C135.1 C136.2 U5.18 U5.23 U5.37
NETC133_1: C133.1 U3.L11
NETCN1_3: CN1.3 R292.1
NETCN1_5: CN1.5 R225.2
NETCN1_9: CN1.9 R282.1
NETCN1_11: CN1.11 R280.1
NETCN1_13: CN1.13 R234.1
NETCN1_14: CN1.14 R13.1
NETCN1_15: CN1.15 R12.2
NETCN1_17: CN1.17 R11.2
NETCN1_19: CN1.19 R10.2
NETCN1_21: CN1.21 R246.2
NETCN1_23: CN1.23 R240.1
NETCN1_26: CN1.26 R9.1
NETCN2_1: CN2.1 R7.2
NETCN2_3: CN2.3 R6.2
NETCN3_1: CN3.1 R3.2
NETCN3_3: CN3.3 R4.2
NETCN4_1: CN4.1 R26.1 R27.2
NETCN5_15: CN5.15 R216.2 U16.4
NETCN5_18: CN5.18 TP3.1
NETCN5_34: CN5.34 TP4.1
NETCN5_35: CN5.35 TP7.1
NETCN5_36: CN5.36 TP6.1
NETCN6_3: CN6.3 SB5.2
NETCN6_5: CN6.5 R208.2
NETCN6_6: CN6.6 SB6.2
NETCN7_3: CN7.3 SB4.2
NETCN7_4: CN7.4 SB3.2
NETCN8_2: CN8.2 U4.6
NETCN8_3: CN8.3 U4.10
NETCN8_6: CN8.6 U4.5
NETCN8_8: CN8.8 U4.7
NETCN9_2: CN9.2 D4.A1 U7.8
NETCN9_3: CN9.3 D4.A2 U7.7
NETCN9_4: CN9.4 D3.A2 U7.5
NETCN10_1: CN10.1 R121.2 U5.17
NETCN10_2: CN10.2 R115.2 U5.16
NETCN10_3: CN10.3 R91.2 U5.14
NETCN10_6: CN10.6 R100.2 U5.13
NETCN10_9: CN10.9 R131.1
NETCN10_10: CN10.10 R77.1 U5.28
NETCN10_11: CN10.11 R79.1 U5.26
NETCN10_12: CN10.12 R80.1
NETCN12_6: CN12.6 JP5.1 R94.1 U8.A4
NETCN13_2: CN13.2 CN16.7 D9.3 R90.1 R140.1
NETCN13_4: CN13.4 CN16.9 D10.3 R99.1 R142.2
NETCN13_6: CN13.6 CN16.13 D11.3 R103.1 R113.2 R145.1
NETCN13_8: CN13.8 CN16.5 D12.3 R106.1 R139.1
NETCN13_10: CN13.10 CN16.15 D13.3 R109.1
NETCN13_12: CN13.12 R38.1
NETCN13_14: CN13.14 R39.1 R113.1
NETCN13_16: CN13.16 R33.1 R119.1
NETCN13_18: CN13.18 R23.1
NETCN13_20: CN13.20 R128.1
NETCN14_2: CN14.2 D5.D1 R298.1
NETCN14_3: CN14.3 D5.C1 R297.1
NETCN14_4: CN14.4 D5.A3 R117.1
NETCN15_2: CN15.2 D6.D1 R302.1
NETCN15_3: CN15.3 D6.C1 R300.1
NETCN15_4: CN15.4 D6.A3 R260.1
NETCN16_3: CN16.3 D14.3 R119.2 R127.1 R136.1
NETCN16_11: CN16.11 R143.2 R144.1
NETCN16_17: CN16.17 R148.2
NETCN16_19: CN16.19 R149.2
NETCN17_1: CN17.1 R156.2 R293.1
NETCN17_2: CN17.2 R155.2 R284.1
NETCN17_3: CN17.3 R154.2 R294.1
NETCN17_7: CN17.7 R153.2 R281.1
NETCN17_8: CN17.8 R152.2 R265.1
NETCN17_10: CN17.10 R150.2
NETCN18_1: CN18.1 D7.1
NETCN20_22: CN20.22 R183.1
NETCN20_39: CN20.39 U16.5
NETCN20_43: CN20.43 R283.2
NETCN21_2: CN21.2 D8.3 D8.4 R163.2
NETCN21_3: CN21.3 D8.1 D8.6 R168.2 R172.2
NETCN22_2: CN22.2 D15.2 JP11.2 U14.6
NETCN22_5: CN22.5 R170.2
NETCN22_7: CN22.7 D15.1 R158.1 U14.7
NETCN22_9: CN22.9 R166.2
NETD1_1: D1.1 U4.20
NETD1_2: D1.2 JP1.1
NETD2_2: D2.2 JP3.1
NETD5_C3: D5.C3 R261.2 R297.2
NETJP3_2: JP3.2 U4.16
NETJP5_3: JP5.3 JP14.3
NETJP6_2: JP6.2 U5.34
NETJP6_3: JP6.3 R279.2
NETJP7_1: JP7.1 U4.17
NETJP7_3: JP7.3 U1.4
NETJP8_2: JP8.2 U3.C1
NETJP9_2: JP9.2 R116.1 U8.B4
NETJP10_2: JP10.2 R157.1 U14.8
NETJP10_3: JP10.3 R162.1
NETJP11_1: JP11.1 R158.2
NETJP14_1: JP14.1 U17.A9
NETJP14_2: JP14.2 U18.4 U19.4
NETJP15_1: JP15.1 U17.C6
NETJP15_2: JP15.2 U18.3 U19.3
NETJP15_3: JP15.3 R45.2
NETJP16_2: JP16.2 U14.4
NETL2_1: L2.1 R81.2 R87.2 R105.2
NETL6_1: L6.1 U17.B3
NETL7_1: L7.1 U17.C3
NETL8_1: L8.1 U17.A2
NETL9_1: L9.1 U17.B1
NETLD1_2: LD1.2 R192.2
NETLD2_2: LD2.2 R191.2
NETLD3_2: LD3.2 R190.2
NETLD4_2: LD4.2 R189.2
NETLD5_1: LD5.1 R98.1
NETLD5_2: LD5.2 T4.3
NETLD6_1: LD6.1 R296.1
NETLD6_2: LD6.2 R124.2 R125.2 U6.3 U7.10
NETLD7_1: LD7.1 R118.1
NETLD7_2: LD7.2 T5.3
NETLD8_1: LD8.1 R133.1
NETLD8_2: LD8.2 R132.2 R134.2 U9.3
NETLD9_1: LD9.1 R135.1
NETLD9_2: LD9.2 T1.3
NETLD10_1: LD10.1 R141.1
NETLD11_2: LD11.2 R186.2
NETLD11_3: LD11.3 R187.2
NETLD11_4: LD11.4 R188.1
NETR2_2: R2.2 U1.1
NETR5_1: R5.1 SW2.2
NETR21_1: R21.1 R22.1 U3.E5
NETR23_2: R23.2 R29.1 U3.B1
NETR25_1: R25.1 R26.2
NETR25_2: R25.2 RV1.2
NETR32_1: R32.1 R114.2 R120.1 R128.2 U3.B2
NETR33_2: R33.2 R34.1 U3.A1
NETR36_1: R36.1 R39.2 U3.A2
NETR38_2: R38.2 R40.1 U3.A3
NETR42_1: R42.1 U3.B7
NETR43_1: R43.1 U5.41
NETR43_2: R43.2 R244.2 U3.D5
NETR44_1: R44.1 X3.1
NETR46_1: R46.1 U5.46
NETR47_1: R47.1 U5.45
NETR48_1: R48.1 U5.44
NETR48_2: R48.2 R267.1
NETR49_1: R49.1 U5.43
NETR49_2: R49.2 R239.1
NETR50_1: R50.1 U5.39
NETR50_2: R50.2 R227.2
NETR51_1: R51.1 U5.38
NETR51_2: R51.2 R214.2
NETR52_1: R52.1 U3.P8
NETR53_1: R53.1 U3.P9
NETR54_1: R54.1 U3.N9
NETR55_1: R55.1 U3.P10
NETR56_1: R56.1 U3.P11
NETR57_2: R57.2 U3.P14
NETR58_2: R58.2 U3.N14
NETR59_2: R59.2 U3.M15
NETR60_1: R60.1 U3.L15
NETR61_1: R61.1 U3.K13
NETR62_1: R62.1 U3.H14
NETR63_1: R63.1 U5.1
NETR63_2: R63.2 R238.1
NETR64_1: R64.1 U5.33
NETR65_1: R65.1 U3.R8
NETR66_1: R66.1 U3.R9
NETR67_1: R67.1 U3.R10
NETR68_1: R68.1 U3.R11
NETR69_1: R69.1 U3.R12
NETR70_2: R70.2 U3.P15
NETR71_2: R71.2 U3.N15
NETR72_1: R72.1 U3.L14
NETR73_1: R73.1 U3.K15
NETR74_1: R74.1 U3.L12
NETR75_1: R75.1 R211.2 U5.30
NETR76_2: R76.2 U5.7 U16.2
NETR78_1: R78.1 U5.27
NETR82_2: R82.2 R87.1 T4.2
NETR84_1: R84.1 U5.20
NETR85_1: R85.1 U5.21
NETR86_2: R86.2 U5.24
NETR92_1: R92.1 R93.1 U8.F2
NETR95_1: R95.1 R96.2 R97.2 U6.4
NETR95_2: R95.2 U16.11
NETR97_1: R97.1 U7.3
NETR101_2: R101.2 U7.32
NETR102_1: R102.1 U7.23
NETR104_1: R104.1 U7.22
NETR105_1: R105.1 U7.4
NETR107_2: R107.2 R111.2 T5.2
NETR108_1: R108.1 U7.19
NETR110_1: R110.1 U8.A5 U11.G5
NETR112_1: R112.1 U7.18
NETR120_2: R120.2 U17.F2
NETR122_2: R122.2 R123.1 T7.2
NETR124_1: R124.1 U16.10
NETR126_1: R126.1 U7.14
NETR129_2: R129.2 R130.1 U9.4
NETR130_2: R130.2 U16.8
NETR132_1: R132.1 U16.7
NETR137_2: R137.2 R138.2 T1.2
NETR146_1: R146.1 R147.1 U11.B5
NETR150_1: R150.1 R151.1 U16.17
NETR159_2: R159.2 R160.2 U16.24
NETR161_2: R161.2 R165.2 U16.23
NETR164_1: R164.1 U15.20
NETR169_2: R169.2 U15.44
NETR172_1: R172.1 T6.1
NETR174_2: R174.2 U15.2
NETR175_2: R175.2 R179.2 U16.18
NETR177_2: R177.2 U15.3
NETR184_1: R184.1 U17.D4 U17.D5
NETR185_2: R185.2 U17.G2
NETR193_2: R193.2 R219.2
NETR204_1: R204.1 U18.2
NETR206_1: R206.1 T2.2
NETR206_2: R206.2 R207.1 U16.3
NETR213_1: R213.1 U3.K3
NETR217_1: R217.1 U3.J2
NETR221_1: R221.1 U3.H2
NETR222_1: R222.1 U5.31
NETR224_1: R224.1 U3.G2
NETR226_1: R226.1 U3.E2
NETR228_1: R228.1 U5.5
NETR229_1: R229.1 T3.2
NETR229_2: R229.2 R230.1 U16.1
NETR231_1: R231.1 U3.D2
NETR233_2: R233.2 U5.3
NETR236_2: R236.2 U5.4
NETR237_2: R237.2 U3.D4
NETR241_2: R241.2 U3.E4
NETR243_1: R243.1 U5.6
NETR245_2: R245.2 U3.L5
NETR247_2: R247.2 U3.D6
NETR248_2: R248.2 SB8.1 U3.J4
NETR249_2: R249.2 U5.2
NETR250_1: R250.1 U3.N6
NETR251_2: R251.2 U3.J3
NETR253_1: R253.1 U3.M6
NETR254_1: R254.1 U3.P6
NETR256_2: R256.2 U14.1
NETR257_1: R257.1 U3.M7
NETR258_1: R258.1 U3.N7
NETR259_2: R259.2 T7.3 U7.9
NETR262_2: R262.2 U1.3 U4.13
NETR269_1: R269.1 U3.M12
NETR270_1: R270.1 U3.M11
NETR271_1: R271.1 U3.N11
NETR272_2: R272.2 U3.N10
NETR273_1: R273.1 U3.M8
NETR274_1: R274.1 U3.B12
NETR275_2: R275.2 U3.C14
NETR276_2: R276.2 U3.D14
NETR277_2: R277.2 U3.E14
NETR278_2: R278.2 U3.E12
NETR285_1: R285.1 U3.M13
NETR286_1: R286.1 U3.N12
NETR287_1: R287.1 U3.M10
NETR288_1: R288.1 U3.C12
NETR289_2: R289.2 U3.C13
NETR290_2: R290.2 U3.D13
NETR291_2: R291.2 U3.E13
NETR295_2: R295.2 U3.H3
NETR299_1: R299.1 U8.F7
NETR301_1: R301.1 U10.J2
NETR303_1: R303.1 R304.2 T6.2
NETSB7_1: SB7.1 U5.40
NETSB8_2: SB8.2 U5.42
NETTP8_1: TP8.1 U5.25
NETU16_6: U16.6 U17.G3
OSC_IN: C76.2 U15.5 X6.2
OSC_OUT: C77.2 U15.6 X6.1
PA0: CN6.15 R219.1 R223.1 SB7.2 U3.N3
PA1: CN6.14 R210.1 R214.1 U3.N2
PA2: CN6.13 R211.1 R215.1 U3.P2
PA3: CN6.18 U3.R2 U7.24
PA4: CN5.31 CN6.21 U3.N4
PA5: CN6.24 R126.2 U3.P4
PA6: CN5.33 CN6.20 R16.2 U3.P3
PA7: CN6.22 R225.1 R227.1 U3.R3
PA8: CN7.52 R268.1 R279.1 R283.1 U3.F15
PA9: CN7.43 R262.1 R266.1 U3.E15
PA10: CN7.44 JP7.2 R117.2 U3.D15
PA11: CN7.41 D5.D3 JP16.1 R255.1 R298.2 U3.C15
PA12: CN7.42 R252.1 R256.1 R261.1 U3.B15
PA13: CN7.40 R90.2 U3.A15 U15.25 U15.27
PA14: CN7.36 R99.2 U3.A14 U15.15 U15.26
PA15: CN7.32 R106.2 U3.A13 U15.17
PAR_D0: CN5.23 CN7.58 JP4.3 R292.2 U3.H15
PAR_D1: CN1.7 CN5.24 CN7.56 R45.1 U3.G15
PAR_D2: CN5.25 CN7.51 R280.2 R281.2 U3.G14
PAR_D3: CN5.26 CN7.46 R265.2 U3.F14
PAR_D4: CN2.2 CN3.2 CN5.27 CN7.53 R284.2 U3.B13
PAR_D5: CN5.28 CN7.23 U3.C11
PAR_D6: CN5.29 CN7.31 R240.2 R243.2 U3.A7
PAR_D7: CN5.30 R114.1
PAR_D8: CN2.4 CN3.4 CN5.9 CN7.55 R293.2 U3.B14
PAR_D9: CN2.6 CN3.6 CN5.10 CN7.28 CN17.5 U3.A12
PAR_D10: CN5.5 CN7.47 JP5.2 U3.B11
PAR_D11: CN5.6 CN7.57 R294.2 U3.D12
PB0: CN6.52 R102.2 R282.2 U3.R5
PB1: CN6.26 R104.2 R234.2 U3.R4
PB2: CN6.29 R5.2 U3.M5
PB3: CN7.45 JP4.2 U3.A10
PB4: CN7.24 R127.2 U3.A9 U15.19
PB5: CN6.4 U3.A8 U7.17
PB6: CN7.18 CN20.40 R4.1 R6.1 R173.2 TR1.3 U3.B6 U16.19 U17.H1
PB7: CN5.32 CN7.21 U3.B5
PB9: CN7.14 CN20.38 R3.1 R7.1 R171.2 TR2.3 U3.B4 U16.20 U17.F3
PB10: CN6.33 U3.P12 U7.21
PB11: CN6.36 U3.R13 U7.20
PB12: CN6.41 R108.2 R260.2 U3.L13
PB13: CN6.43 R112.2 R264.2 U3.K14
PB14: CN6.35 D6.D3 R302.2 U3.R14
PB15: CN6.38 D6.C3 R300.2 U3.R15
PC0: CN6.11 U3.M2 U7.13